# Altium PCB CL-HC-M-V2.2.PcbDoc (part 6 of 18) (continued)
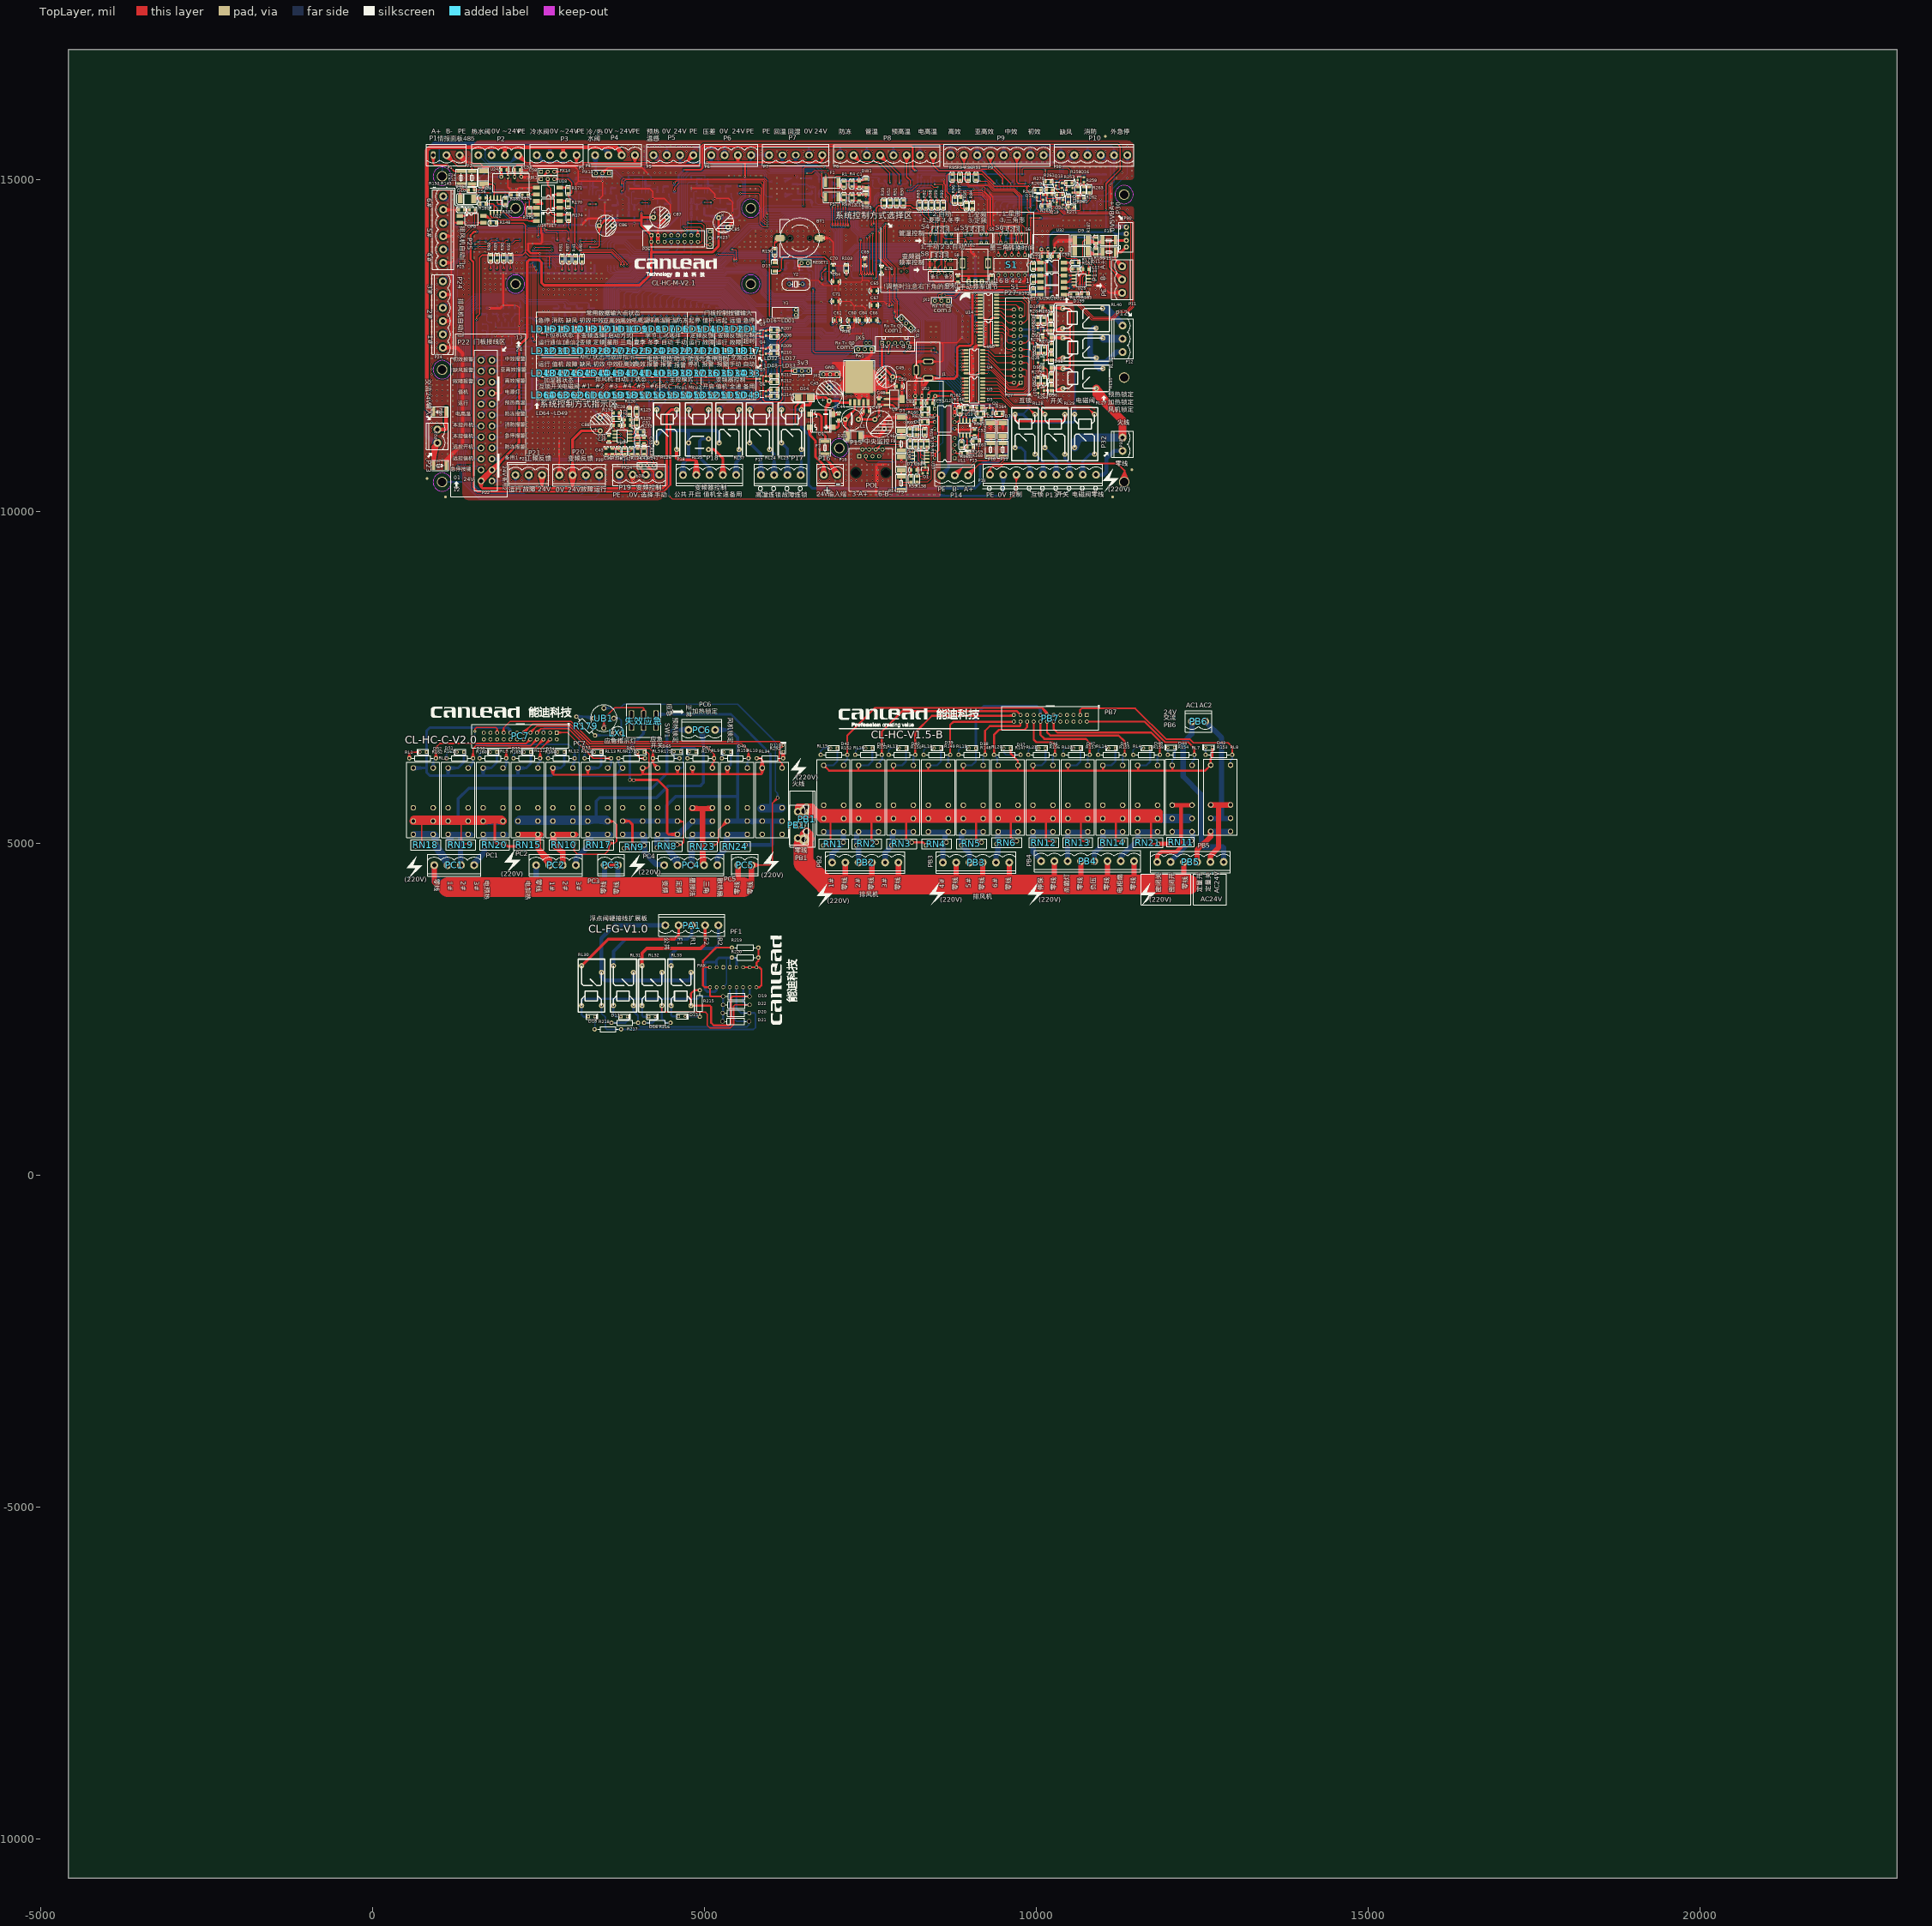
[diagram p0: TopLayer view]
## Nets (pads, with @x,y where several pads share a name; then routed paths per layer and width w, separated by ;. In a path a pad name is that pad's centre, name@x,y a point inside that pad or via, vN(x,y) a via of type N, cw(c..) or ccw(c..) an arc to the next point about the centre after c; other vN are vias at no path point) (continued)
  BottomLayer w120: pad.0@6495.21,5118.05 6495.21,5139.79 ; 6564.56,5134.78 PB1.1@6564.56,5156.51 ; 6596.43,5055.92 6596.43,5077.65
  BottomLayer w300: 1139.71,4339.62 5584.27,4339.62 ; 6495.21,4977.65 6495.21,4706.24 6821.28,4380.17 12301.06,4380.17
485-A-1: F15.1 P11.1 P30.1 | length 1278.6
  TopLayer w25: F15.1@11192.67,13868.15 11192.67,13797.15 ; F15.1@11192.67,13911.45 11192.67,13797.15 ; P11.1@11257.49,13667.34 11192.67,13797.15 ; P11.1@11278.94,13680.49 11192.67,13797.15 ; P11.1@11309.34,13710.89 11192.67,13797.15 ; P11.1@11322.48,13732.33 11192.67,13797.15 ; 11192.67,13797.15 P11.1@11295.27,13694.56 11192.67,13797.15
  TopLayer w40: F15.1@11212.67,13891.45 F15.1@11192.67,13911.45 11283.16,13911.45 P30.1@11356.69,13984.99
485-A-2: F14.1 P1.1 | length 1077
  TopLayer w20: P1.1@887.52,15345.23 914.75,15251.61 ; P1.1@914.75,15349.11 914.75,15251.61 ; P1.1@914.75,15370.67 914.75,15240.13 931.6,15223.27 1132.72,15223.27 1230.45,15125.54 ; P1.1@941.97,15345.23 914.75,15251.61 ; F14.1@1290.81,15112 1230.45,15125.54 ; F14.1@1290.81,15139.08 1230.45,15125.54 ; F14.1@1292.31,15125.54 1230.45,15125.54 ; F14.1@1335.62,15125.54 1230.45,15125.54
485-B-1: F13.1 P11.2 P30.2 | length 1697.9
  TopLayer w25: F13.1@11193.16,14084.99 11131.09,14084.99 11105.41,14059.31 11105.41,13684.41 P11.2@11295.27,13494.56 11183.18,13606.64 ; P11.2@11257.87,13466.83 11183.18,13606.64 ; P11.2@11279.03,13480.39 11183.18,13606.64 ; P11.2@11309.44,13510.8 11183.18,13606.64 ; P11.2@11323,13531.95 11183.18,13606.64
  TopLayer w40: F13.1@11193.16,14084.99 P30.2@11356.69,14084.99
485-B-2: F12.1 P1.2 | length 1209.1
  TopLayer w20: P1.2@1086.5,15330.56 1216.23,15269.19 ; P1.2@1096.39,15348.15 1216.23,15269.19 ; P1.2@1114.75,15370.67 1279.37,15206.05 1476.69,15206.05 1499.59,15183.15 ; P1.2@1137.27,15389.03 1216.23,15269.19 ; P1.2@1154.85,15398.92 1216.23,15269.19 ; F12.1@1486.06,15127.25 1499.59,15183.15 ; F12.1@1499.59,15125.63 1499.59,15183.15 ; F12.1@1513.11,15127.24 1499.59,15183.15
485-GND1: C51.1 C52.1 D6.A D7.A P15.1 Q2.3 R166.2 R169.1 U12.5 U13.5 U52.3 | length 10681.4
  TopLayer w20: U13.5@8849.03,11148.36 8849.03,11233.8 U13.5@8849.03,11176.36 ; R166.2@8923.65,11563.66 8919.87,11567.44 v1(8919.87,11609.07) R166.2@8923.65,11568.66
  TopLayer w30: C51.1@8355.64,11635.09 8355.64,11679.22 ; C51.1@8355.64,11640.09 8355.64,11679.22 ; 8957.38,11233.8 C52.1@9067.38,11233.8 ; R169.1@9045.76,10963.36 v1(9045.76,10922.25) R169.1@9045.76,10968.36 ; C52.1@9072.38,11233.8 8849.03,11233.8 ; Q2.3@9338.44,11471.14 v1(9338.44,11504.84) Q2.3@9338.44,11472.13 ; D6.A@9347.91,11315.32 v1(9403.6,11334.07) ; D6.A@9348.59,11354.73 v1(9403.6,11334.07) ; D7.A@9478.56,11332.72 9498.46,11234.71 ; D7.A@9518.36,11332.72 9498.46,11234.71 ; 8355.64,11679.22 8377.95,11701.53 ; 8355.64,11679.22 U52.3@8377.95,11724.99 ; 8377.95,11701.53 U52.3@8377.95,11739.99 8377.95,11789.15 ; 8377.95,11701.53 U52.3@8377.95,11724.99 ; 8377.95,11701.53 U52.3@8377.95,11724.99 ; U52.3@8377.95,11754.99 8377.95,11789.15 ; U52.3@8377.95,11754.99 8403.41,11814.6 ; U52.3@8377.95,11754.99 8377.95,11789.15 ; 8377.95,11789.15 8403.41,11814.6 ; 8403.41,11814.6 8728.83,11814.6 8815.13,11728.31 8815.13,11613.68 8819.74,11609.07 ; 8819.74,11609.07 v1(8919.87,11609.07) 8819.74,11609.07 ; 8849.03,11233.8 8786.93,11233.8 U12.5@8772.38,11248.36 8849.03,11233.8 ; v1(9291.13,11265.98) D6.A@9312.92,11335.08 9312.92,11235.08 ; v1(9291.13,11265.98) 9312.92,11235.08 ; v1(9291.13,11265.98) 9332.82,11333.08 9312.92,11235.08 ; v1(9291.13,11265.98) 9312.92,11235.08 ; v1(9291.13,11265.98) 9312.92,11235.08 ; v1(9291.13,11265.98) 9293.02,11333.08 9312.92,11235.08 ; D6.A@9313.28,11334.72 D7.A@9498.46,11334.72 ; D6.A@9313.28,11334.72 v1(9403.6,11334.07) ; D6.A@9313.28,11334.72 v1(9403.6,11334.07) ; D6.A@9341.53,11334.72 D7.A@9464.93,11314.78 ; D6.A@9341.53,11334.72 D7.A@9464.93,11354.65 ; D6.A@9341.53,11334.72 D7.A@9466.53,11334.72 ; D6.A@9341.53,11334.72 v1(9403.6,11334.07) ; D6.A@9341.53,11334.72 v1(9403.6,11334.07) ; D6.A@9341.53,11334.72 v1(9403.6,11334.07) ; D6.A@9344.85,11335.08 D7.A@9469.85,11334.72 ; D6.A@9344.85,11335.08 v1(9403.6,11334.07) ; D6.A@9344.85,11335.08 D7.A@9464.93,11314.78 ; D6.A@9344.85,11335.08 D7.A@9464.93,11354.65 ; D6.A@9344.85,11335.08 D7.A@9466.53,11334.72 ; D6.A@9344.85,11335.08 v1(9403.6,11334.07) ; D6.A@9344.85,11335.08 v1(9403.6,11334.07) ; D6.A@9344.85,11335.08 v1(9403.6,11334.07) ; D6.A@9344.85,11335.08 v1(9403.6,11334.07) ; v1(9403.6,11334.07) D7.A@9469.85,11334.72 ; v1(9403.6,11334.07) 9346.5,11355.01 D7.A@9469.85,11334.72 ; v1(9403.6,11334.07) D7.A@9469.85,11334.72 ; v1(9403.6,11334.07) 9346.39,11315.14 D7.A@9469.85,11334.72 ; v1(9403.6,11334.07) D7.A@9464.93,11314.78 ; v1(9403.6,11334.07) 9349.79,11354.46 D7.A@9464.93,11314.78 ; v1(9403.6,11334.07) D7.A@9464.93,11354.65 ; v1(9403.6,11334.07) 9349.68,11315.67 D7.A@9464.93,11354.65 ; v1(9403.6,11334.07) D7.A@9466.53,11334.72 ; v1(9403.6,11334.07) 9346.55,11355.01 D7.A@9466.53,11334.72 ; v1(9403.6,11334.07) D7.A@9466.53,11334.72 ; v1(9403.6,11334.07) 9346.43,11315.14 D7.A@9466.53,11334.72 ; v1(9403.6,11334.07) D7.A@9464.93,11314.78 ; v1(9403.6,11334.07) 9343.14,11315.15 D7.A@9464.93,11314.78 ; v1(9403.6,11334.07) D7.A@9498.46,11334.72 ; v1(9403.6,11334.07) D7.A@9464.93,11314.78 ; v1(9403.6,11334.07) D7.A@9464.93,11354.65 ; v1(9403.6,11334.07) D7.A@9466.53,11334.72 ; v1(9403.6,11334.07) D7.A@9469.85,11334.72 ; v1(9403.6,11334.07) D7.A@9464.93,11314.78 ; v1(9403.6,11334.07) D7.A@9464.93,11354.65 ; v1(9403.6,11334.07) 9343.26,11355.02 D7.A@9464.93,11354.65 ; v1(9403.6,11334.07) D7.A@9464.93,11354.65 ; v1(9403.6,11334.07) D7.A@9466.53,11334.72 ; 9498.46,11234.71 D7.A@9498.46,11334.72
  BottomLayer w30: 8680.38,10714.48 8877.05,10714.48 9045.76,10883.19 v1(9045.76,10922.25) ; 8881.48,10718.91 v1(8971.13,10785.98) 9038.28,10875.7 ; 9338.44,11346.01 9350.38,11334.07 v1(9403.6,11334.07)
  BottomLayer w40: P15.1@8548.52,10576.56 8680.38,10653.64 ; P15.1@8572.38,10545.64 8680.38,10653.64 ; P15.1@8603.3,10521.78 8680.38,10653.64 ; U12.5@8772.38,11248.36 8681.32,11248.36 8680.38,11247.41 ; 8787.37,11609.07 v1(8919.87,11609.07) ; 9338.44,11346.01 v1(9338.44,11504.84) 9338.44,11575.88 9305.24,11609.07 v1(8919.87,11609.07) ; 8680.38,10653.64 8680.38,10714.48 8680.38,11247.41 ; 8680.38,11247.41 8680.38,11558.64 8730.81,11609.07 v1(8919.87,11609.07)
  other v1: 8891.13,10785.98 9051.13,10785.98 9211.13,10865.98 8731.13,10945.98 9211.13,10945.98 9291.13,10945.98 9371.13,10945.98 9451.13,10945.98 9211.13,11025.98 8731.13,11185.98 9211.13,11185.98 8891.13,11265.98 8971.13,11265.98 9211.13,11265.98 9371.13,11265.98 9451.13,11265.98 9451.13,11585.98
485-VCC-1: C51.2 C52.2 R161.1@8960.76,10872.99 R162.1@8849.03,11563.66 R164.1@9488.75,11476.82 R165.2@9167.38,11373.66 R167.1 U12.7 U12.8 U13.8 U52.4 | length 5406.8
  TopLayer w20: C51.2@8440.64,11635.09 8440.64,11702.68 ; C51.2@8440.64,11640.09 8440.64,11702.68 ; U52.4@8461.39,11751.2 8440.64,11702.68 ; U52.4@8480.17,11720.11 8567.95,11739.99 U52.4@8480.17,11759.87 ; U52.4@8489.16,11723.42 8440.64,11702.68 ; U12.7@8757.4,11447.49 U12.8@8759.95,11532.95 ; U12.7@8757.43,11449.68 8772.38,11533.36 U12.7@8787.32,11449.68 ; U12.8@8757.43,11547.03 8772.38,11463.36 U12.8@8787.32,11547.03 ; U12.8@8757.43,11549.68 8772.38,11633.36 U12.8@8787.32,11549.68 ; U12.7@8757.78,11451.83 U12.8@8784.8,11532.95 ; U12.7@8786.97,11451.83 U12.8@8759.95,11532.95 ; U12.7@8787.35,11447.49 U12.8@8784.8,11532.95 ; R161.1@8960.76,10872.99 9087.46,10872.99 9133.56,10919.09 R167.1@9133.56,11058.15 9133.56,11160.96 ; C52.2@9071.04,11148.8 U13.8@8999.04,11148.36 ; C52.2@9077.38,11148.8 9121.4,11148.8 ; 9133.56,10973.15 R167.1@9133.56,11053.15 ; R167.1@9133.56,11063.15 9133.56,11143.15 ; R165.2@9167.38,11378.66 9194.03,11425.23 ; R164.1@9488.75,11476.82 9488.75,11441.96 ; 8440.64,11702.68 U52.4@8477.95,11739.99 ; 8440.64,11702.68 U52.4@8477.95,11739.99 ; U52.4@8477.95,11739.99 8721.76,11739.99 8772.38,11689.38 U12.8@8772.38,11548.36 ; U12.8@8759.95,11532.95 U12.7@8772.38,11448.36 ; U12.7@8772.38,11448.36 U12.8@8772.38,11548.36 ; U12.7@8772.38,11448.36 U12.8@8784.8,11532.95 ; U12.8@8772.38,11548.36 U12.8@8787.68,11563.66 ; U12.8@8772.38,11548.36 R162.1@8849.03,11563.66 ; U12.8@8772.38,11548.36 R162.1@8844.03,11563.66 ; U12.8@8787.68,11563.66 R162.1@8849.03,11563.66 ; U12.8@8787.68,11563.66 R162.1@8844.03,11563.66 ; R162.1@8844.03,11563.66 8770.86,11563.28 R162.1@8849.03,11563.66 ; R162.1@8844.03,11563.66 8776.71,11534 R162.1@8849.03,11563.66 ; U13.8@8999.04,11148.36 U13.8@8999.48,11148.8 ; U13.8@8999.04,11148.36 9067.38,11148.8 U13.8@8999.48,11148.8 ; U13.8@8999.48,11148.8 C52.2@9072.38,11148.8 9121.4,11148.8 ; 9121.4,11148.8 9133.56,11160.96 ; 9133.56,11160.96 9133.56,11256.21 9167.38,11290.03 ; 9167.38,11290.03 R165.2@9167.38,11373.66 ; 9167.38,11290.03 9167.38,11368.66 v1(9167.56,11313.95) ; 9167.38,11290.03 v1(9167.56,11313.95) ; 9167.38,11290.03 v1(9167.56,11313.95) ; R165.2@9167.38,11373.66 9167.38,11398.57 9194.03,11425.23 ; R165.2@9167.38,11373.66 v1(9167.56,11313.95) ; 9194.03,11425.23 9472.01,11425.23 ; 9472.01,11425.23 9488.75,11441.96 ; 9472.01,11425.23 R164.1@9488.75,11471.82 ; 9488.75,11441.96 R164.1@9488.75,11471.82 ; 9488.75,11441.96 R164.1@9488.75,11471.82
  BottomLayer w20: U12.7@8772.38,11448.36 8830.92,11448.36 ; U12.7@8774.3,11433.48 8830.92,11448.36 ; U12.7@8774.3,11463.23 8830.92,11448.36 ; 9165.59,11386.57 v1(9167.56,11313.95) 9165.59,11313.95 9165.59,11410.13 9157.02,11418.69 8860.58,11418.69 8830.92,11448.36
485_GND_1: C57.1 C59.1 D9.A D11.A P11.3 R181.1 R187.1 U21.3 U23.5 U32.3 | length 11176.3
  TopLayer w25: U21.3@10416.71,13650.26 10416.97,13653.1 R181.1@10546.43,13653.06 R181.1@10546.43,13653.06 ; U21.3@10451.43,13653.1 R181.1@10546.43,13653.06 ; v1@10657.59,13410.1 v1(10660.2,13404.13) 10660.2,13550.11 10705.31,13595.22 ; C57.1@10705.31,13645.26 10705.31,13595.22 ; U23.5@10790.81,13410.1 v1(10852.35,13410.1) ; U23.5@10818.81,13410.1 v1(10852.35,13410.1) ; 10877.21,13410.1 v1(10971.13,13425.98) ; 10985.58,13411.49 v1(11051.13,13345.98) ; P11.3@11287.19,13340.4 11161.21,13294.56 ; P11.3@11293.54,13316.04 11161.21,13294.56 ; P11.3@11295.27,13294.56 11102.36,13294.56 ; R181.1@10540.95,13653.1 10437.32,13667.27 R181.1@10541.03,13653.06 ; R181.1@10540.95,13653.1 10438.24,13633.34 R181.1@10541.03,13653.06 ; R181.1@10540.95,13653.1 10436.39,13650.26 R181.1@10541.03,13653.06 ; R181.1@10546.43,13653.06 v1@10575.86,13653.06 ; R181.1@10546.43,13653.06 v1(10578.78,13654.13) ; R181.1@10546.43,13653.06 v1@10575.86,13653.06 ; R181.1@10546.43,13653.06 v1(10578.78,13654.13) ; R181.1@10546.43,13653.06 v1(10578.78,13654.13) ; R181.1@10546.43,13653.06 v1(10578.78,13654.13) ; v1@10575.86,13653.06 v1(10578.78,13654.13) ; 10705.31,13595.22 C57.1@10705.31,13650.26 ; C57.1@10705.31,13650.26 v1(10705.31,13694.66) ; C57.1@10705.31,13650.26 v1(10705.31,13694.66) ; v1(10705.31,13694.66) 10705.31,13655.26 v1(10705.31,13694.66) ; v1(10852.35,13410.1) 10986.82,13410.1 ; v1(10971.13,13425.98) 11036.56,13360.36 v1(11051.13,13345.98) ; v1(10971.13,13425.98) 10986.82,13410.1 ; v1(10971.13,13425.98) 10986.82,13410.1 ; 10986.82,13410.1 11102.36,13294.56 ; 10986.82,13410.1 v1(11051.13,13345.98) ; v1(11051.13,13345.98) 11102.36,13294.56 ; 11161.21,13294.56 11287.19,13248.71 v1(11211.13,13265.98) ; 11161.21,13294.56 11293.54,13273.07 v1(11211.13,13265.98) ; 11161.21,13294.56 v1(11211.13,13265.98) ; 11161.21,13294.56 v1(11211.13,13265.98)
  TopLayer w30: C59.1@10249.3,13845.31 10249.3,13893.19 ; C59.1@10249.3,13850.31 10249.3,13893.19 ; U32.3@10278.34,13935.07 10249.3,13893.19 ; U32.3@10278.34,13965.07 10278.34,14032.23 ; 10374.58,14091.48 v1(10491.13,14065.98) ; D9.A@10576.4,14111.42 10453,14091.48 ; 10249.3,13893.19 10278.34,13922.24 U32.3@10278.34,13950.07 10278.34,14032.23 ; 10278.34,14032.23 10337.59,14091.48 ; 10278.34,14032.23 v1(10331.13,14065.98) ; v1(10331.13,14065.98) 10448.38,14091.48 v1(10411.13,14065.98) ; v1(10331.13,14065.98) 10337.59,14091.48 ; v1(10331.13,14065.98) 10337.59,14091.48 ; v1(10331.13,14065.98) v1(10411.13,14065.98) ; 10337.59,14091.48 D9.A@10578,14091.48 ; 10337.59,14091.48 v1(10411.13,14065.98) ; v1(10411.13,14065.98) 10527.83,14091.48 v1(10491.13,14065.98) ; v1(10411.13,14065.98) v1(10491.13,14065.98) ; 10453,14091.48 10576.4,14071.55 v1(10491.13,14065.98) ; 10453,14091.48 v1(10491.13,14065.98) ; v1(10491.13,14065.98) D9.A@10578,14091.48 ; D11.A@10558.07,13950.71 D9.A@10578,14074.11 ; D11.A@10558.07,13950.71 10597.27,14054.19 v1(10578.78,14005.63) ; D11.A@10558.07,13950.71 10558.08,14061.37 v1(10578.78,14005.63) ; D11.A@10558.07,13950.71 D9.A@10578,14059.55 ; D11.A@10558.07,13950.71 v1(10578.78,14005.63) ; D11.A@10558.07,13950.71 v1(10578.78,14005.63) ; D11.A@10558.07,13950.71 v1(10578.78,14005.63) ; D11.A@10558.07,13950.71 v1(10578.78,14005.63) ; D11.A@10578,13934.55 10597.94,14057.95 v1(10578.78,14005.63) ; D11.A@10578,13934.55 10558.07,14057.95 v1(10578.78,14005.63) ; D11.A@10578,13934.55 D9.A@10578,14059.55 ; D11.A@10578,13934.55 v1(10578.78,14005.63) ; D11.A@10578,13934.55 v1(10578.78,14005.63) ; D11.A@10578,13934.55 v1(10578.78,14005.63) ; D11.A@10578,13949.11 D9.A@10578,14074.11 ; D11.A@10578,13949.11 10597.92,14057.74 v1(10578.78,14005.63) ; D11.A@10578,13949.11 10558.08,14057.74 v1(10578.78,14005.63) ; D11.A@10578,13949.11 D9.A@10578,14059.55 ; D11.A@10578,13949.11 v1(10578.78,14005.63) ; D11.A@10578,13949.11 v1(10578.78,14005.63) ; D11.A@10578,13949.11 v1(10578.78,14005.63) ; D11.A@10578,13949.11 v1(10578.78,14005.63) ; D9.A@10578,14059.55 D11.A@10597.94,13950.71 ; D9.A@10578,14059.55 v1(10578.78,14005.63) ; D9.A@10578,14059.55 v1(10578.78,14005.63) ; D9.A@10578,14059.55 v1(10578.78,14005.63) ; D9.A@10578,14059.55 v1(10578.78,14005.63) ; D9.A@10578,14074.11 D11.A@10597.94,13950.71 ; D9.A@10578,14074.11 v1(10578.78,14005.63) ; D9.A@10578,14074.11 v1(10578.78,14005.63) ; D9.A@10578,14074.11 v1(10578.78,14005.63) ; D9.A@10578,14091.48 D11.A@10578,13917.18 v1(10578.78,14005.63) ; D9.A@10578,14091.48 v1(10578.78,14005.63) ; v1(10578.78,14005.63) D11.A@10597.94,13950.71 ; v1(10578.78,14005.63) 10597.92,14061.37 D11.A@10597.94,13950.71 ; v1(10578.78,14005.63) D11.A@10597.94,13950.71 ; v1(10578.78,14005.63) D11.A@10597.94,13950.71 ; v1(10578.78,14005.63) 10558.73,14054.19 D11.A@10597.94,13950.71 ; v1(10578.78,14005.63) D11.A@10597.94,13950.71 ; v1(10850.41,14129.31) v1@10852.09,14130.98 ; v1(10850.41,14129.31) R187.1@10900.45,14130.98 v1@10852.09,14130.98 ; v1(10850.41,14129.31) 10895.45,14130.98 v1@10852.09,14130.98
  BottomLayer w25: 10575.41,14094.31 10578.78,14090.94 v1(10578.78,14005.63) 10578.78,13699.97 ; v1(10578.78,13654.13) 10578.78,13699.97 ; v1(10705.31,13694.66) 10584.08,13694.66 10578.78,13699.97 ; 10748.7,13410.1 v1(10660.2,13404.13) 10657.59,13410.1 v1(10852.35,13410.1)
  BottomLayer w30: U32.3@10278.34,13950.07 10278.34,14037.24 ; U32.3@10278.34,13965.07 10278.34,14037.24 ; v1(10850.41,14129.31) 10610.41,14129.31 10575.41,14094.31 10335.41,14094.31 ; 10278.34,14037.24 10335.41,14094.31 ; 10278.34,14037.24 v1(10331.13,14065.98) 10335.41,14094.31
  other v1: 10331.13,13265.98 10891.13,13265.98 10971.13,13265.98 11051.13,13265.98 11131.13,13265.98 10811.13,13345.98 10891.13,13345.98 10971.13,13345.98 11131.13,13345.98 11211.13,13345.98 11051.13,13425.98 11131.13,13425.98 11211.13,13425.98 10971.13,13505.98 11051.13,13505.98 11131.13,13505.98 10971.13,13585.98 11051.13,13585.98 11131.13,13585.98 10971.13,13665.98 11051.13,13665.98 10971.13,13745.98 11051.13,13745.98 10491.13,13905.98 10491.13,13985.98
485_GND_2: C56.1 C58.1 D8.A D10.A P1.3 R180.1 R185.1 U18.3 U22.5 U24.3 | length 7228.7
  TopLayer w20: P1.3@1286.5,15330.56 1416.23,15269.19 ; P1.3@1296.39,15348.15 1416.23,15269.19 ; P1.3@1308,15320.39 v1(1371.13,15265.98) 1416.23,15269.19 ; P1.3@1314.75,15370.67 1439.75,15245.67 ; P1.3@1337.27,15389.03 1416.23,15269.19 ; P1.3@1354.85,15398.92 1416.23,15269.19 ; 1374.71,15310.71 v1(1451.13,15265.98) ; D10.A@1520.61,14734.76 C56.1@1618.77,14725.12 ; D10.A@1521.34,14709.77 C56.1@1618.77,14725.12 ; D10.A@1528.33,14685.77 C56.1@1618.77,14725.12 ; 1533.73,15245.67 v1(1451.13,15265.98) ; D10.A@1537.3,14725.12 C56.1@1620.28,14725.12 ; D10.A@1540.27,14725.12 C56.1@1620.28,14725.9 ; D10.A@1540.48,14732.81 C56.1@1620.28,14725.9 ; D10.A@1541.07,14712.88 C56.1@1620.28,14720.9 ; D10.A@1545.29,14693.15 C56.1@1620.28,14720.9 ; R180.1@1620.38,14632.63 1620.28,14632.63 v1(1620.28,14679.32) ; R180.1@1620.38,14637.63 v1(1620.28,14679.32) ; D8.A@1647.86,15135.51 1672.38,15194.67 ; D8.A@1672.38,15130.63 1672.38,15194.67 ; 1696.51,15194.67 v1(1771.13,15185.98) v1@1846.1,15194.67 ; D8.A@1696.89,15135.51 1672.38,15194.67 ; v1@1775.12,15186.44 v1(1851.13,15185.98) ; v1@1776.25,15194.67 v1(1851.13,15185.98) ; 1925.98,15194.67 v1(1851.13,15185.98) ; U22.5@1929.78,14697.9 v1(1929.78,14660.7) U22.5@1929.78,14725.9 ; C58.1@2025.38,15142.69 2025.38,15102.27 ; 2040.38,14948.36 U24.3@2040.38,15028.36 ; R185.1@2176.49,14769.93 2176.49,14843.04 ; R185.1@2176.49,14774.93 2176.49,14843.04 ; 2253.7,14879.56 v1(2331.13,14865.98) ; 2408.6,14879.56 v1(2331.13,14865.98) ; U18.3@2447.15,14860.15 2359.75,14879.56 ; U18.3@2447.15,14898.97 2359.75,14879.56 ; U18.3@2449.28,14879.56 2359.75,14879.56 ; U18.3@2453.99,14879.56 2213.01,14879.56 ; 1439.75,15245.67 1621.38,15245.67 1672.38,15194.67 ; 1439.75,15245.67 v1(1451.13,15265.98) ; 1439.75,15245.67 v1(1451.13,15265.98) ; v1(1620.28,14679.32) C56.1@1620.28,14725.12 ; v1(1620.28,14679.32) C56.1@1620.28,14720.9 ; C56.1@1620.28,14725.12 C56.1@1620.28,14725.9 ; 1672.38,15194.67 2010.27,15194.67 ; 2010.27,15194.67 2025.38,15179.57 ; 2010.27,15194.67 C58.1@2025.38,15152.69 ; 2025.38,15102.27 C58.1@2025.38,15147.69 2025.38,15179.57 ; 2025.38,15102.27 2040.38,15087.28 ; 2025.38,15102.27 U24.3@2040.38,15058.36 ; C58.1@2025.38,15152.69 2025.38,15179.57 ; C58.1@2025.38,15152.69 2025.38,15179.57 ; 2040.38,14887.11 2084.44,14843.04 ; 2040.38,14887.11 U24.3@2040.38,15043.36 2040.38,15087.28 ; 2040.38,14887.11 v1(2091.13,14865.98) 2084.44,14843.04 ; U24.3@2040.38,15058.36 2040.38,15087.28 ; U24.3@2040.38,15058.36 2040.38,15087.28 ; 2084.44,14843.04 2176.49,14843.04 ; 2176.49,14843.04 2213.01,14879.56 ; 2176.49,14843.04 v1(2171.13,14865.98) 2213.01,14879.56 ; 2213.01,14879.56 v1(2251.13,14865.98) ; v1(2251.13,14865.98) 2328.98,14879.56 v1(2331.13,14865.98) ; v1(2251.13,14865.98) v1(2331.13,14865.98)
  BottomLayer w20: 1620.28,14950.78 v1(1611.13,15025.98) 1670.7,15076.92 ; 1667.4,14615.54 v1(1620.28,14679.32) ; v1@1778.1,15106.22 v1(1851.13,15105.98) ; v1@1778.42,15108.51 v1(1851.13,15105.98) ; v1@1843.86,15108.51 v1(1771.13,15105.98) 1702.28,15108.51 ; 1923.85,15108.51 v1(1851.13,15105.98) ; v1(1929.78,14660.7) 1929.78,14616.61 1920.41,14607.24 1675.7,14607.24 1620.28,14662.66 ; U24.3@2040.38,15043.36 2040.38,15087.28 ; 1620.28,14662.66 v1(1620.28,14679.32) ; 1620.28,14662.66 v1(1620.28,14679.32) ; v1(1620.28,14679.32) 1620.28,15026.5 1702.28,15108.51 ; 1702.28,15108.51 2019.14,15108.51 ; 2019.14,15108.51 2040.38,15087.28 ; 2019.14,15108.51 U24.3@2040.38,15058.36 ; U24.3@2040.38,15058.36 2040.38,15087.28 ; U24.3@2040.38,15058.36 2040.38,15087.28
  other v1: 1211.13,14945.98 1851.13,14945.98 1931.13,14945.98 2011.13,14945.98 1291.13,15025.98 1371.13,15025.98 1451.13,15025.98 1531.13,15025.98 1291.13,15265.98 1451.13,15345.98
485_VCC_1: C57.2 C59.2 R177.1@10632.67,13750.76 R179.2@10608.81,13270.23 R183.2 U20.4 U23.8 U32.4 | length 4031.7
  TopLayer w15: C59.2@10321.88,13838.89 10335.41,13775.28 ; C59.2@10324.74,13858.36 10378.1,13911.99 ; C59.2@10334.3,13840.31 10335.41,13775.28 ; C59.2@10334.3,13850.31 10378.1,13911.99 ; C59.2@10335.5,13832.86 10399.3,13845.31 ; C59.2@10335.5,13857.75 10399.3,13845.31 ; C59.2@10345.05,13843.94 10378.1,13911.99 ; C59.2@10346.76,13839.32 10335.41,13775.28 ; U32.4@10356.86,13943.38 10378.34,13912.24 ; U32.4@10378.34,13950.07 10378.34,13912.24 ; U20.4@10391.62,13536.93 10344.52,13560.2 ; U20.4@10393.19,13579.98 10344.52,13560.2 ; U20.4@10397.02,13558.29 10344.52,13560.2 ; U32.4@10399.82,13943.38 10378.34,13912.24 ; U20.4@10416.71,13558.29 10420.52,13560.2 10344.52,13560.2 ; R179.2@10608.81,13270.23 10687.18,13270.23 R183.2@10689.2,13272.25 ; R179.2@10610.01,13257.79 10673.81,13270.23 R179.2@10610.01,13282.67 ; R177.1@10620.78,13759.64 10635.41,13784.31 ; R177.1@10632.67,13755.76 10635.41,13784.31 ; R177.1@10633.87,13738.32 10697.67,13750.76 R177.1@10633.87,13763.2 ; R177.1@10645.07,13757.3 10635.41,13784.31 ; R183.2@10676.76,13278.45 10689.2,13342.25 ; R183.2@10686.74,13279.5 R179.2@10624.84,13260.68 ; R183.2@10687.48,13264.86 R179.2@10623.22,13280.1 ; R183.2@10687.62,13284.64 R179.2@10624.14,13270.23 ; R183.2@10688.39,13259.77 R179.2@10624.14,13270.23 ; R183.2@10688.56,13289.73 R179.2@10623.22,13280.1 ; R183.2@10689.2,13267.25 R179.2@10624.84,13260.68 ; R183.2@10689.26,13254.75 R179.2@10624.84,13260.68 ; R183.2@10701.64,13278.45 10689.2,13342.25 ; U23.8@10762.81,13560.1 10730.26,13560.1 ; C57.2@10777.87,13644.06 10790.31,13580.26 ; C57.2@10777.91,13656.85 10790.31,13704.41 ; 10790.31,13617.11 U23.8@10790.81,13560.1 ; C57.2@10790.31,13645.26 10790.31,13580.26 ; C57.2@10790.31,13655.26 10790.31,13704.41 ; C57.2@10802.71,13656.85 10790.31,13704.41 ; C57.2@10802.75,13644.06 10790.31,13580.26 ; C59.2@10335.41,13845.31 10424.41,13845.31 10455.41,13814.31 10605.41,13814.31 10635.41,13784.31 ; C59.2@10335.41,13845.31 C59.2@10334.3,13845.31 10399.3,13845.31 ; C59.2@10335.41,13845.31 10335.41,13569.31 10344.52,13560.2 ; C59.2@10335.41,13845.31 10335.41,13869.31 10378.34,13912.24 ; R179.2@10623.22,13280.1 10689.2,13277.25 10689.2,13342.25 ; R179.2@10624.14,13270.23 R183.2@10689.2,13272.25 ; 10635.41,13784.31 10635.41,13753.5 R177.1@10632.67,13750.76 10743.96,13750.76 10790.31,13704.41 ; R183.2@10689.2,13272.25 10689.2,13361.33 10701.14,13373.27 10701.14,13530.98 10730.26,13560.1 ; 10730.26,13560.1 U23.8@10790.81,13560.1 ; 10790.31,13704.41 C57.2@10790.31,13650.26 10790.31,13560.6 U23.8@10790.81,13560.1
485_VCC_2: C56.2 C58.2 R176.1 R178.2 R182.2 U17.4 U22.8 U24.4 | length 3517.4
  TopLayer w20: U24.4@1920.5,15045.58 1940.38,15133.36 U24.4@1960.25,15045.58 ; U24.4@1924.53,15063.4 C58.2@1940.38,15142.69 ; U24.4@1940.38,15043.36 C58.2@1940.38,15141.36 ; U24.4@1940.38,15062.69 C58.2@1940.38,15142.69 ; U24.4@1956.22,15063.4 C58.2@1940.38,15142.69 ; R178.2@2363.32,14565.18 2364.32,14645.23 ; U17.4@2443.95,14596.75 R178.2@2368.32,14565.18 ; U17.4@2447.03,14558.57 R178.2@2364.32,14577.96 ; U17.4@2447.03,14597.36 R178.2@2364.32,14577.96 ; U17.4@2450,14558.45 R178.2@2368.32,14565.18 ; v1@2253.82,14710.44 v1(2254.32,14710.44) ; v1@2253.82,14710.44 R176.1@2253.82,14769.93 v1(2254.32,14710.44) ; v1@2253.82,14710.44 2253.82,14764.93 v1(2254.32,14710.44) ; v1(2254.32,14710.44) 2342.14,14710.44 2364.32,14688.26 R178.2@2364.32,14577.96 ; R178.2@2364.32,14577.96 2448.96,14577.96 R178.2@2368.32,14565.18 ; R178.2@2364.32,14577.96 2449.28,14577.96 R178.2@2368.32,14565.18 ; C56.2@1705.28,14725.9 U22.8@1779.78,14725.9 v1(1747.12,14726.25) C56.2@1705.28,14725.9 ; R182.2@2002.4,14714.18 v1(2002.4,14762.49) R182.2@2002.4,14714.18
  BottomLayer w20: v1(1747.12,14726.25) 1712.12,14726.25 1694.46,14743.91 1694.46,14845.85 ; U24.4@1938.15,15023.48 1850.38,15043.36 U24.4@1938.15,15063.23 ; U24.4@1940.38,15043.36 1754.92,15043.36 1694.46,14982.89 1694.46,14845.85 ; 2074.91,14763.12 v1(2002.4,14762.49) ; v1(2254.32,14710.44) 2254.32,14737.95 2229.15,14763.12 v1@2002.4,14763.12 ; 1694.46,14845.85 1977.25,14845.85 2002.4,14820.7 ; v1(2002.4,14762.49) v1@2002.4,14763.12 ; v1(2002.4,14762.49) 2002.4,14820.7 ; v1@2002.4,14763.12 2002.4,14820.7
<-变频故障: P20.2 R69.1 R253.1 | length 8476.9
  BottomLayer w15: R69.1@3065.36,13066.61 3077.76,13114.57 ; R69.1@3082.08,13052.56 R253.1@3148.04,13055.23 ; R69.1@3082.08,13077.52 R253.1@3148.04,13074.84 ; R69.1@3085.78,13052.91 R253.1@3148.04,13074.84 ; R69.1@3085.78,13077.17 R253.1@3148.04,13055.23 ; R69.1@3090.16,13066.61 3077.76,13114.57 ; R253.1@3161.56,13052.6 R69.1@3097.76,13065.04 ; R253.1@3161.56,13077.48 R69.1@3097.76,13065.04 ; R253.1@3162.76,13065.04 R69.1@3097.76,13065.04 ; P20.2@3164.86,10536.43 3214.81,10445.14 ; R253.1@3167.76,13065.04 R69.1@3077.76,13065.04 3077.76,13114.57 ; P20.2@3178.82,10542.78 3214.81,10445.14 ; P20.2@3193.37,10546.97 3214.81,10445.14 ; P20.2@3214.81,10549.2 3214.81,10327.01 3135,10247.2 1627.82,10247.2 1347.38,10527.65 1347.38,13049.07 1551.84,13253.54 2259.06,13253.54 2340.73,13171.86 2905.11,13171.86 2950.23,13126.73 3065.6,13126.73 3077.76,13114.57 ; P20.2@3236.25,10546.97 3214.81,10445.14 ; P20.2@3250.79,10542.78 3214.81,10445.14 ; P20.2@3264.76,10536.43 3214.81,10445.14 ; R69.1@3082.76,13065.04 R253.1@3147.76,13065.04 ; R69.1@3082.76,13065.04 R253.1@3148.04,13055.23 ; R69.1@3082.76,13065.04 R253.1@3148.04,13074.84 ; R69.1@3082.76,13065.04 R253.1@3147.76,13065.04 ; R253.1@3147.76,13065.04 3083.96,13077.48 R253.1@3147.76,13065.04 ; R253.1@3147.76,13065.04 3083.96,13052.6 R253.1@3147.76,13065.04
<-变频运行: P20.1 R68.1 R252.1 | length 9034.8
  BottomLayer w15: R68.1@3245.32,13066.24 3257.76,13130.04 R68.1@3270.2,13066.24 ; R68.1@3262.08,13052.56 R252.1@3328.04,13055.23 ; R68.1@3262.08,13077.52 R252.1@3328.04,13074.84 ; R68.1@3265.78,13052.91 R252.1@3328.04,13074.84 ; R68.1@3265.78,13077.17 R252.1@3328.04,13055.23 ; R252.1@3341.56,13052.6 R68.1@3277.76,13065.04 ; R252.1@3341.56,13077.48 R68.1@3277.76,13065.04 ; R252.1@3342.76,13065.04 R68.1@3277.76,13065.04 ; R252.1@3347.76,13065.04 R68.1@3257.76,13065.04 3257.76,13130.58 3236.61,13151.73 2972.67,13151.73 2927.54,13196.86 2351.09,13196.86 2269.41,13278.54 1534.84,13278.54 1322.38,13066.07 1322.38,10517.29 1617.46,10222.2 3361.51,10222.2 3414.81,10275.5 P20.1@3414.81,10549.2 ; P20.1@3364.86,10536.43 3414.81,10445.14 ; P20.1@3378.82,10542.78 3414.81,10445.14 ; P20.1@3393.37,10546.97 3414.81,10445.14 ; P20.1@3436.25,10546.97 3414.81,10445.14 ; P20.1@3450.79,10542.78 3414.81,10445.14 ; P20.1@3464.76,10536.43 3414.81,10445.14 ; R68.1@3262.76,13065.04 R252.1@3328.04,13055.23 ; R68.1@3262.76,13065.04 R252.1@3328.04,13074.84 ; R68.1@3262.76,13065.04 R252.1@3327.76,13065.04 ; R68.1@3262.76,13065.04 R252.1@3327.76,13065.04 ; R252.1@3327.76,13065.04 3263.96,13077.48 R252.1@3327.76,13065.04 ; R252.1@3327.76,13065.04 3263.96,13052.6 R252.1@3327.76,13065.04
<-工频故障: P21.2 R70.1 R254.1 | length 7351.2
  BottomLayer w15: P21.2@2304.86,10536.43 2354.81,10445.14 ; P21.2@2318.82,10542.78 2354.81,10445.14 ; P21.2@2333.37,10546.97 2354.81,10445.14 ; P21.2@2354.81,10549.2 2354.81,10334.14 2292.87,10272.2 1638.17,10272.2 1372.38,10538 1372.38,13038.71 1562.2,13228.54 2242.78,13228.54 2324.46,13146.86 2873.99,13146.86 2897.76,13123.08 ; P21.2@2376.25,10546.97 2354.81,10445.14 ; P21.2@2390.79,10542.78 2354.81,10445.14 ; P21.2@2404.76,10536.43 2354.81,10445.14 ; R254.1@2885.33,13066.38 2897.76,13123.08 ; R254.1@2902.76,13065.04 R70.1@2967.76,13065.04 ; R254.1@2903.96,13052.6 R70.1@2967.76,13065.04 ; R254.1@2903.96,13077.48 R70.1@2967.76,13065.04 ; R254.1@2910.19,13066.38 2897.76,13123.08 ; R70.1@2979.74,13052.91 R254.1@2917.48,13074.84 ; R70.1@2979.74,13077.17 R254.1@2917.48,13055.23 ; R70.1@2983.44,13052.56 R254.1@2917.48,13055.23 ; R70.1@2983.44,13077.52 R254.1@2917.48,13074.84 ; R70.1@2987.76,13065.04 R254.1@2897.76,13065.04 2897.76,13123.08 ; R254.1@2917.48,13055.23 R70.1@2982.76,13065.04 ; R254.1@2917.48,13074.84 R70.1@2982.76,13065.04 ; R254.1@2917.76,13065.04 2981.56,13052.6 R254.1@2917.76,13065.04 ; R254.1@2917.76,13065.04 2981.56,13077.48 R254.1@2917.76,13065.04 ; R254.1@2917.76,13065.04 R70.1@2982.76,13065.04 ; R254.1@2917.76,13065.04 R70.1@2982.76,13065.04